# Altium PCB LoRaWAN_Node_Ver2.PcbDoc
Units mil, origin at the board's own origin, x right, y up, seen from the top; angles counter-clockwise.
Board outline 5635.59 x 3186.14 mil, 2 copper layers (Top Layer, Bottom Layer); 103 components, 67 nets, 340 pads, 500 vias.
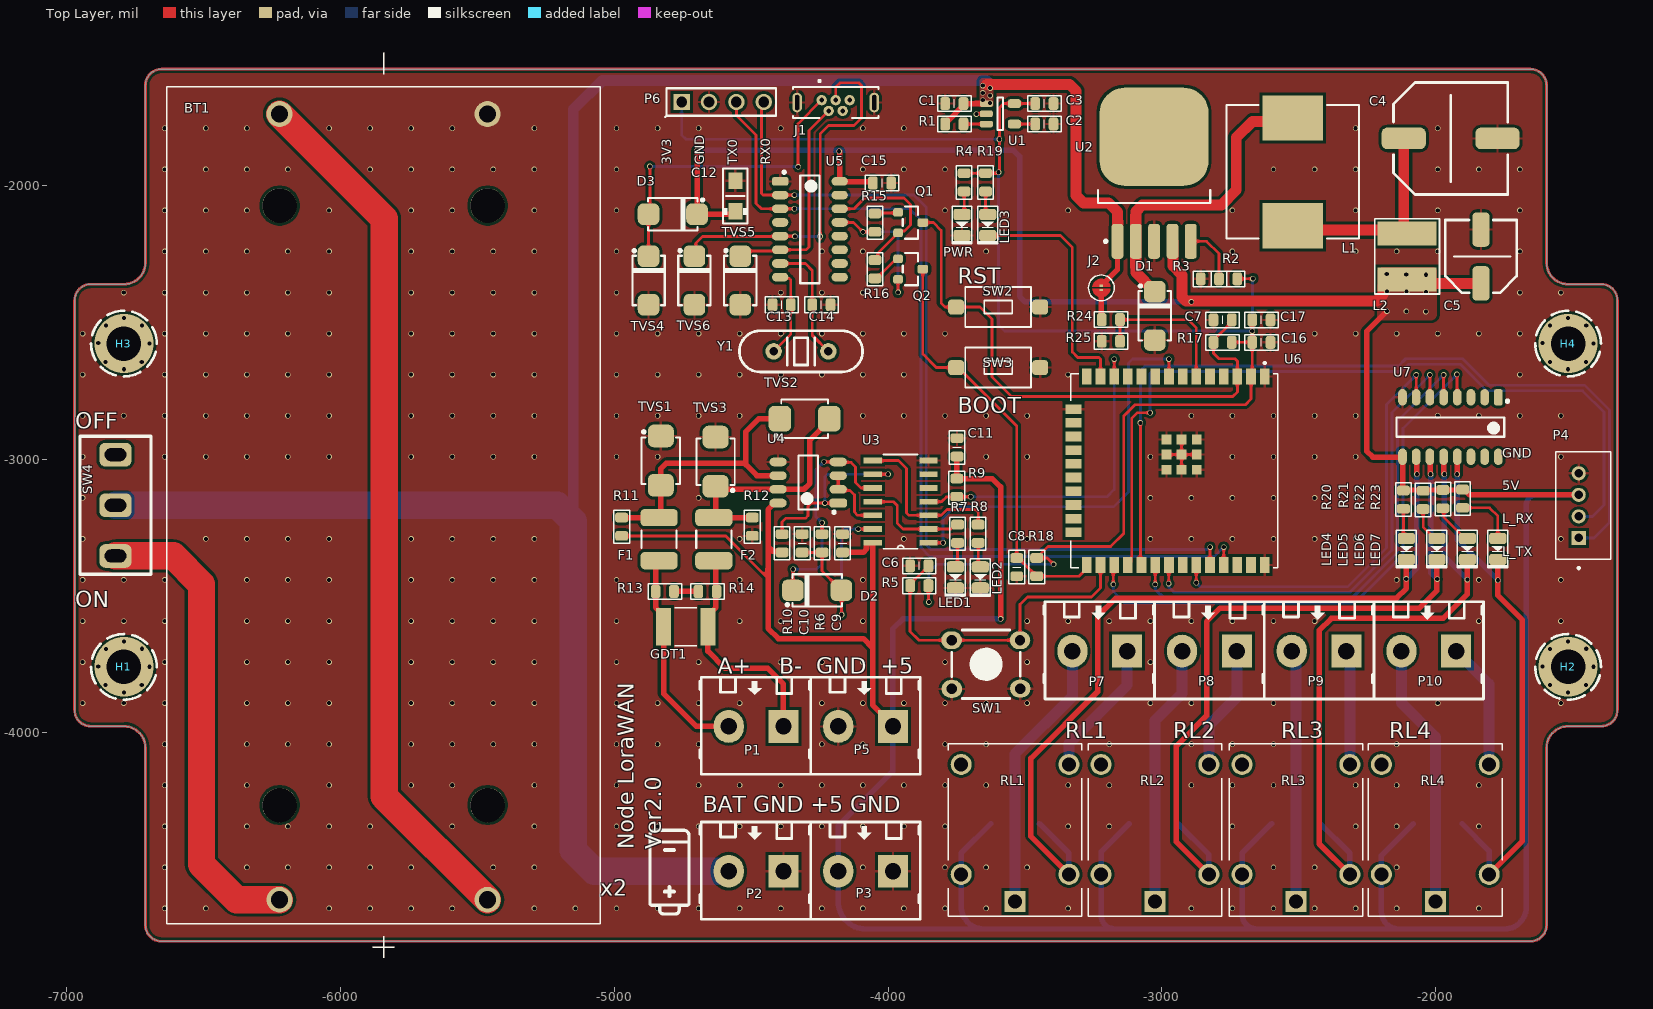
[diagram p0: Top Layer view]
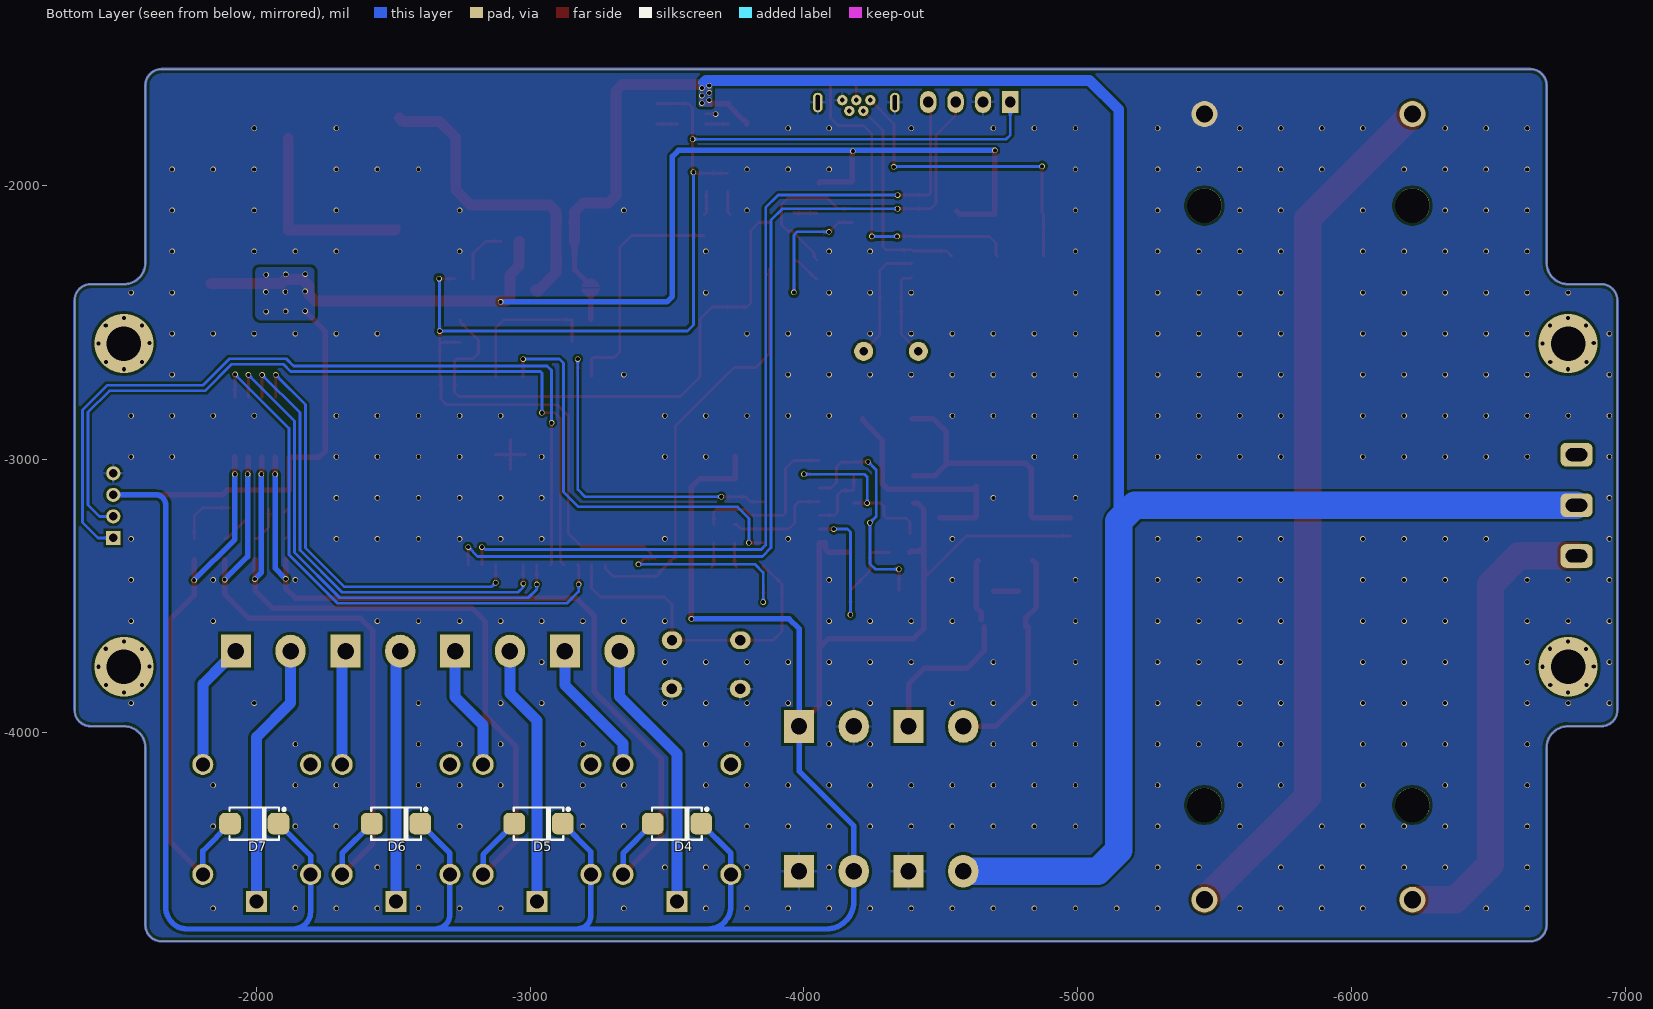
[diagram p1: Bottom Layer view, seen from below]
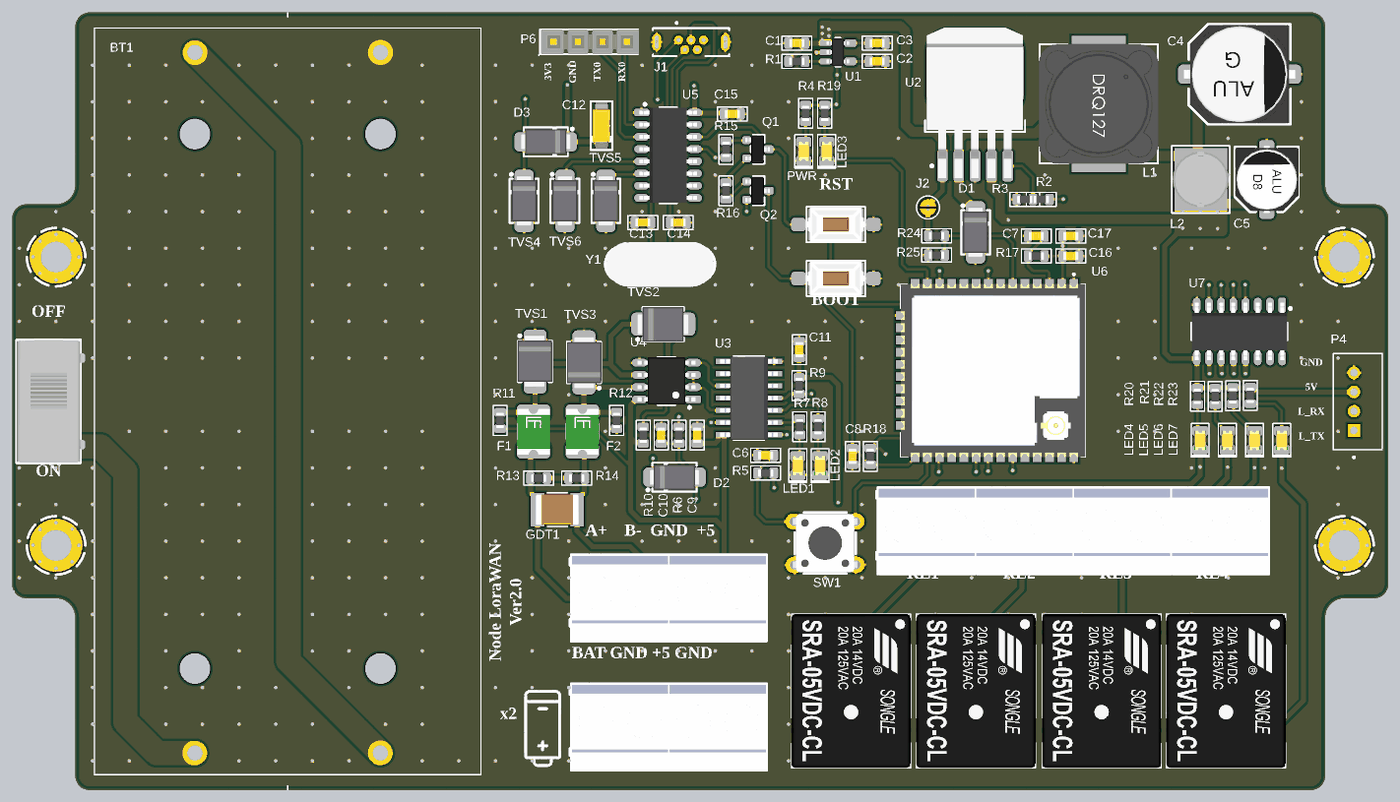
[diagram p2: 3D render of the assembled board from above, using the file's embedded part models]
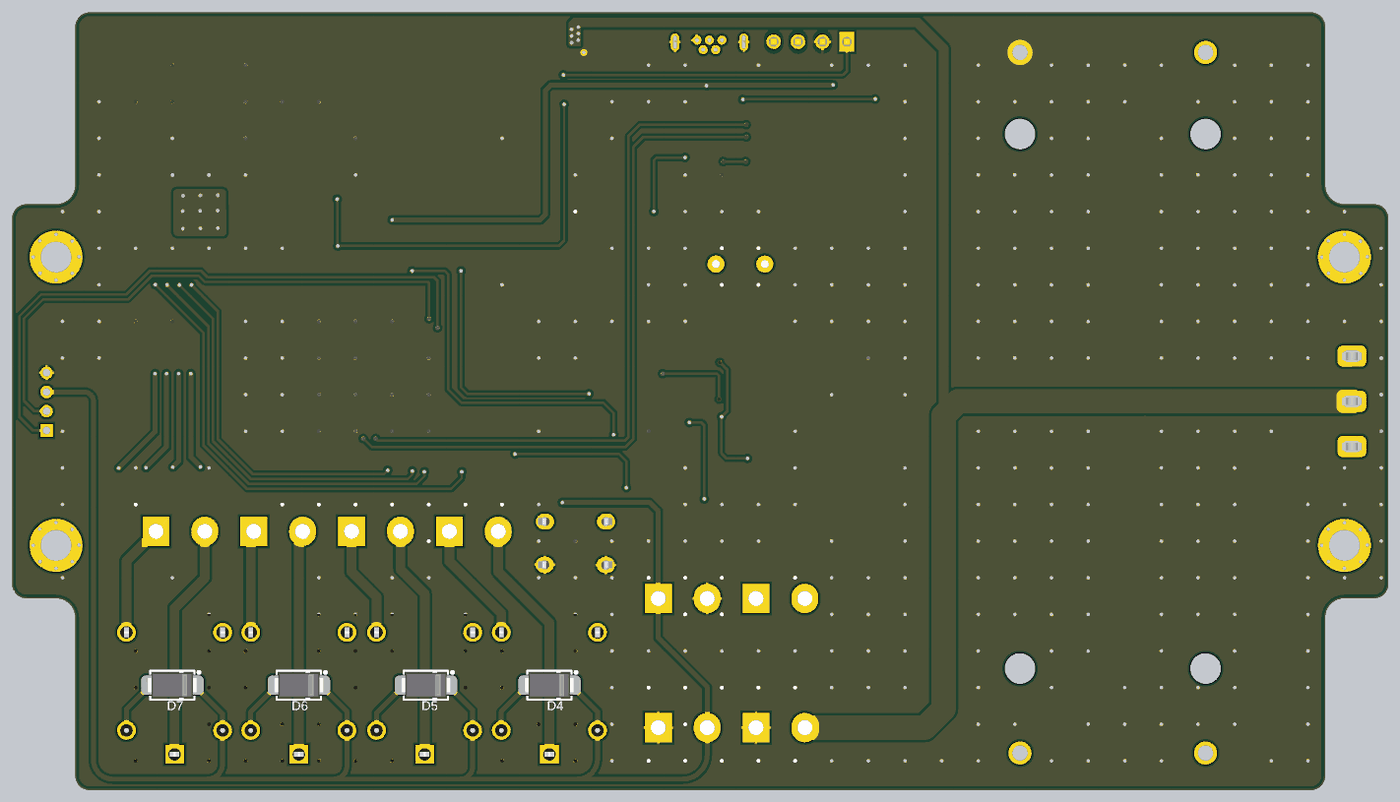
[diagram p3: 3D render of the assembled board from below, using the file's embedded part models]

## Layer stack, top to bottom
Top Solder: solder mask 0.4, Solder Resist, Dk 3.5
Top Layer: signal copper 1.4
Dielectric 1: dielectric 12.6, FR-4, Dk 4.8
Bottom Layer: signal copper 1.4
Bottom Solder: solder mask 0.4, Solder Resist, Dk 3.5

## Board outline
-6712.68,-4701.97 -6712.68,-4054.02 ccw(c-6791.42,-4054.02) -6791.42,-3975.28 -6912.36,-3975.28 cw(c-6912.36,-3916.22) -6971.42,-3916.22 -6971.42,-2420.16 cw(c-6912.12,-2419.92) -6912.36,-2360.62 -6791.42,-2360.62 ccw(c-6791.42,-2281.88) -6712.68,-2281.88 -6712.68,-1633.94 cw(c-6653.62,-1633.94) -6653.62,-1574.88 -1653.62,-1574.88 cw(c-1653.62,-1633.94) -1594.57,-1633.94 -1594.57,-2281.88 ccw(c-1515.83,-2281.88) -1515.83,-2360.62 -1394.88,-2360.62 cw(c-1394.88,-2419.68) -1335.83,-2419.68 -1335.83,-3916.22 cw(c-1394.88,-3916.22) -1394.88,-3975.28 -1515.83,-3975.28 ccw(c-1515.83,-4054.02) -1594.57,-4054.02 -1594.57,-4701.97 cw(c-1653.62,-4701.97) -1653.62,-4761.03 -6653.62,-4761.03 cw(c-6653.62,-4701.97)

## Design rules (kind name [scope] priority, off if disabled: settings)
Clearance [All] p1: gap=10 ignorepadtopadclearanceinfootprint=FALSE except(0: Arc-Hole Track-Hole SMDPad-Hole THPad-Hole Via-Hole Fill-Hole Poly-Hole Region-Hole Text-Hole)
PolygonConnect [All] p1: connectstyle=Relief reliefconductorwidth=10 reliefentries=4 polygonreliefangle="90 Angle" airgapwidth=10
RoutingVias [All] p1: holewidth=15 width=20 viastyle="Through Hole" minholewidth=15 minwidth=15 maxholewidth=20 maxwidth=25
SolderMaskExpansion [All] p1: expansion=4 istentingtop=FALSE
Width BAT [InNet('V_BAT')] p1: maxlimit=100 minlimit=20 preferedwidth=30
Width 5V [InNet('+5')] p2: maxlimit=100 minlimit=20 preferedwidth=20
Width [All] p3: maxlimit=100 minlimit=10 preferedwidth=10
30 further rules are at their usual default settings.

## Components (designator, comment, footprint, x,y, rotation, side; value= is the part's Value field where it differs from the comment)
BT1 "BK-18650-PC4" BAT_BK-18650-PC4 -5842.92,-3168.19 r90 top
C1 "1uF" "C 0603 (1608)" -3758,-1700.74 r180 top
C2 "10uF" "C 0603 (1608)" -3429,-1775.54 r0 top
C3 "2.2uF" "C 0603 (1608)" -3429,-1700.74 r0 top
C4 "25V/470uF" "C SMD ALU (G)" -1945,-1828.2 r0 top
C5 "16V/220uF" "C SMD ALU (D8)" -1834,-2259.34 r90 top
C6 "0.1uF" "C 0603 (1608)" -3886,-3389.46 r180 top
C7 "0.1uF" "C 0603 (1608)" -2777.8,-2490.91 r180 top
C8 "0.1uF" "C 0603 (1608)" -3530,-3394 r270 top
C9 "0.1uF" "C 0603 (1608)" -4166.03,-3306.94 r270 top
C10 "33pF" "C 0603 (1608)" -4313.64,-3306.94 r270 top
C11 "0.1uF" "C 0603 (1608)" -3748,-2956.46 r90 top
C12 "10uF/25V(20%)" "C SMD TAN 1206 (A)" -4558,-2038.46 r90 top
C13 "22pF" "C 0603 (1608)" -4388.46,-2435.58 r180 top
C14 "22pF" "C 0603 (1608)" -4243.46,-2435.58 r0 top
C15 "0.1uF" "C 0603 (1608)" -4022,-1991 r180 top
C16 "10uF" "C 0603 (1608)" -2636.26,-2572.91 r0 top
C17 "0.1uF" "C 0603 (1608)" -2636.26,-2490.91 r0 top
D1 "Diode Schottky" "DO-214AC (SMA)" -3026,-2476 r90 top
D2 "Diode" "DO-214AC (SMA)" -4259,-3479 r180 top
D3 "1N5819" "DO-214AC (SMA)" -4786.42,-2105 r0 top
D4 "Diode" "DO-214AC (SMA)" -3536,-4331 r180 bottom
D5 "Diode" "DO-214AC (SMA)" -3030.33,-4331 r180 bottom
D6 "Diode" "DO-214AC (SMA)" -2510,-4331 r180 bottom
D7 "Diode" "DO-214AC (SMA)" -1992,-4331 r180 bottom
F1 "MS_MSMF" "Fuse 1812P050" -4836.39,-3291.8 r270 top
F2 "MS_MSMF" "Fuse 1812P050" -4636.39,-3291.8 r270 top
GDT1 "Gas Discharge Tube" CAPC4532X110N -4739,-3612 r0 top
H1 "Header 1" M3 -6791.41,-3758.52 r0 top
H2 "Header 1" M3 -1515.82,-3758.52 r0 top
H3 "Header 1" M3 -6791.41,-2577.42 r0 top
H4 "Header 1" M3 -1515.82,-2577.42 r0 top
J1 "USB3131-30-0230-A_REVB" GCT_USB3131-30-0230-A_REVB -4191.25,-1697 r0 top
J2 "JUMP 2" JUMP/2/SMD/D -3221,-2374.13 r270 top
L1 "33uH" "Inductor SMD 12x12x8" -2522,-1950 r270 top
L2 "2.4uH" "Inductor SMD 5.2x5.8x4.5mm" -2104,-2259.34 r270 top
LED1 "Led" "Led SMD 0805" -3754,-3431.61 r90 top
LED2 "Led" "Led SMD 0805" -3663,-3431.61 r90 top
LED3 "Led" "Led SMD 0805" -3636,-2144.27 r90 top
LED4 "Led" "Led SMD 0805" -2106.52,-3328.02 r90 top
LED5 "Led" "Led SMD 0805" -1995.19,-3328.02 r90 top
LED6 "Led" "Led SMD 0805" -1883.86,-3328.02 r90 top
LED7 "Led" "Led SMD 0805" -1772.52,-3328.02 r90 top
P1 "Header 2" "HDR Domino 2 - 5MM" -4382,-3976 r180 top
P2 "Header 2" "HDR Domino 2 - 5MM" -4382,-4505 r180 top
P3 "Header 2" "HDR Domino 2 - 5MM" -3982,-4505 r180 top
P4 "110990030" SEEED_110990030 -1477,-3169.37 r90 top
P5 "Header 2" "HDR Domino 2 - 5MM" -3982,-3976 r180 top
P6 "Header 4" "Header 4" -4754,-1695 r0 top
P7 "Header 2" "HDR Domino 2 - 5MM" -3126.5,-3701 r180 top
P8 "Header 2" "HDR Domino 2 - 5MM" -2726,-3701 r180 top
P9 "Header 2" "HDR Domino 2 - 5MM" -2325.5,-3701 r180 top
P10 "Header 2" "HDR Domino 2 - 5MM" -1925,-3701 r180 top
PWR "Led" "Led SMD 0805" -3729.83,-2144.27 r90 top
Q1 "S8050" SOT-23 -3918.28,-2135.47 r0 top
Q2 "S8050" SOT-23 -3918.28,-2305.47 r0 top
R1 "0R" "R 0603 (1608)" -3758,-1775.54 r180 top
R2 "470" "R 0603 (1608)" -2757.46,-2341 r180 top
R3 "470(DNF)" "R 0603 (1608)" -2824.46,-2341 r180 top
R4 "470" "R 0603 (1608)" -3721.96,-1988.54 r90 top
R5 "10k" "R 0603 (1608)" -3886,-3462 r0 top
R6 "22k" "R 0603 (1608)" -4241.03,-3306.94 r270 top
R7 "470" "R 0603 (1608)" -3746.13,-3272.15 r90 top
R8 "470" "R 0603 (1608)" -3670.87,-3272.15 r90 top
R9 "4k7" "R 0603 (1608)" -3749,-3104 r90 top
R10 "4k7" "R 0603 (1608)" -4387,-3306.94 r270 top
R11 "4k7" "R 0603 (1608)" -4973,-3246.53 r270 top
R12 "4k7" "R 0603 (1608)" -4496,-3246.53 r90 top
R13 "121" "R 0603 (1608)" -4815.46,-3483 r0 top
R14 "0_Open" "R 0603 (1608)" -4659.54,-3483 r0 top
R15 "104" "R 0603 (1608)" -4048,-2136 r270 top
R16 "104" "R 0603 (1608)" -4048,-2306 r90 top
R17 "10k" "R 0603 (1608)" -2777.8,-2572.91 r0 top
R18 "10k" "R 0603 (1608)" -3457,-3394 r90 top
R19 "470" "R 0603 (1608)" -3643.87,-1988.54 r90 top
R20 "470" "R 0603 (1608)" -2117.52,-3147.63 r90 top
R21 "470" "R 0603 (1608)" -2045.35,-3148.54 r90 top
R22 "470" "R 0603 (1608)" -1973.17,-3145.54 r90 top
R23 "470" "R 0603 (1608)" -1901,-3144 r90 top
R24 "20k" "R 0603 (1608)" -3186,-2490 r180 top
R25 "10k" "R 0603 (1608)" -3186,-2569 r0 top
RL1 "SRA-05VDC-CL" RELAY_SRA-05VDC-CL -3536,-4355 r90 top
RL2 "SRA-05VDC-CL" RELAY_SRA-05VDC-CL -3025,-4355 r90 top
RL3 "SRA-05VDC-CL" RELAY_SRA-05VDC-CL -2510,-4355 r90 top
RL4 "SRA-05VDC-CL" RELAY_SRA-05VDC-CL -2001,-4355 r90 top
SW1 "Tact Switch" SW/4/DIP/SMALL -3642,-3749 r270 top
SW2 "Button" SW/2/SMD -3598,-2444 r0 top
SW3 "Button" SW/2/SMD -3598,-2665 r0 top
SW4 "SW SPDT" SW/3/SPDT/SS12D10 -6822,-3168.19 r270 top
TVS1 "Diode TVS" "DO-214AA (SMB)" -4830,-3005 r90 top
TVS2 "Diode TVS" "DO-214AA (SMB)" -4305,-2852 r180 top
TVS3 "Diode TVS" "DO-214AA (SMB)" -4630,-3009 r270 top
TVS4 "Diode TVS" "DO-214AC (SMA)" -4875,-2347 r90 top
TVS5 "Diode TVS" "DO-214AC (SMA)" -4540,-2347 r90 top
TVS6 "Diode TVS" "DO-214AC (SMA)" -4707.5,-2347 r90 top
U1 "LP2985" SOT-23-5 -3589.82,-1738.14 r0 top
U2 "LM2576-5" TO-263-5 -3028,-1955.94 r90 top
U3 "74HC14D" SOIC127P600X175-14N -3954.03,-3154.94 r180 top
U4 "SP485EN-L" SOIC-8 -4291.87,-3084.94 r180 top
U5 "CH340G" SOIC-16 -4285.34,-2160 r0 top
U6 "ESP32-WROOM-32U" XCVR_ESP32-WROOM-32U -2955,-3042 r270 top
U7 "ULN2003" SOIC-16 -1945.69,-2882.41 r270 top
Y1 "12MHz" "Crystal HC49S DIP" -4418,-2606 r0 top

## Footprints (in the part's own frame and the unit in brackets; to place one, negate y for a bottom-side part, rotate by r counter-clockwise, add the part's x,y. Pads: shape width x height; smd on the part's side, far side on the other; paste and mask are expansions set on the pad)
BAT_BK-18650-PC4 [mm]
  round 2.4 hole 1.6: 1+(-36.6,9.65) 1-(36.3,9.65) 2+(-36.6,-9.65) 2-(36.3,-9.65)
  round 3.2 hole 3.2 unplated: ""(-27.81,-9.65) ""(-27.81,9.65) ""(27.81,-9.65) ""(27.81,9.65)
  silkscreen extent -42,-20.1 42,20.1
"C 0603 (1608)" [mm] "Chip Capacitor, 2-Leads, Body 1.6x0.8mm, IPC Medium Density"
  rrect50% 0.9x1.2 smd: 1(-0.85,0) 2(0.85,0)
  silkscreen extent -1.55,-0.72 1.55,0.72, body extent -0.8,-0.43 0.8,0.43, height 0.81
"C SMD ALU (D8)" [mm] "SMD Aluminum Electrolytic Capacitor, size D8 (6.3 x 7.7 mm)"
  rrect50% 3.2x1.6 smd: 1(-2.5,0) 2(2.5,0)
  silkscreen extent -3.37,-3.31 3.37,3.31, body extent -3.5,-3.31 3.5,3.29, height 7.7
"C SMD ALU (G)" [mm] "SMD Aluminum Electrolytic Capacitor, size G (10.0 x 10.2 mm)"
  rrect50% 4.1x2 smd: 1(-4.35,0) 2(4.35,0)
  silkscreen extent -5.3,-5.2 5.3,5.2, body extent -5.8,-5.15 5.8,5.15, height 10.2
"C SMD TAN 1206 (A)" [mm] "Molded Capacitor, 2-Leads, Body 3.2x1.6mm, IPC Medium Density"
  rect 1.55x1.3 smd: 1(-1.425,0) 2(1.425,0)
  silkscreen extent -2.54,-1.14 2.54,1.14, body extent -2.4,-0.9 2.4,0.9, height 1.8
CAPC4532X110N [mm]
  rect 1.4x3.51 smd: 1(-2.057,0) 2(2.057,0)
  silkscreen extent -1.04,-1.75 1.04,1.75, body extent -2.25,-1.6 2.25,1.6, height 1.1
"Crystal HC49S DIP" [mil]
  round 60 / inner round 60 / far side round 70 hole 31: 1(0,0) 2(200,0)
  silkscreen extent -125,-75 325,75, body extent -120,-93 320,91, height 143
"DO-214AA (SMB)" [mm] "Molded Diode, 2-Leads, Body 7.9x5.8mm, IPC Low Density"
  rrect50% 2.1x2.4 smd: 1(2.286,0) 2(-2.286,0)
  silkscreen extent -2.16,-1.78 2.79,1.78, body extent -2.67,-1.77 2.73,1.83, height 2.3
"DO-214AC (SMA)" [mm] "Molded Diode, 2-Leads, Body 4.3x2.7mm, IPC Medium Density"
  rrect50% 2x2 smd: 1(2.25,0) 2(-2.25,0)
  silkscreen extent -2.3,-1.5 2.89,1.58, body extent -2.6,-1.3 2.6,1.3, height 2.4
"Fuse 1812P050" [mm] "Fuse 1812P050, 2-Leads, Body 4.5x3.2mm, IPC Medium Density"
  rrect50% 1.6x3.45 smd: 1(-2,0) 2(2,0)
  silkscreen extent -0.8,-1.63 0.8,1.63, body extent -2.33,-1.7 2.4,1.71, height 1.34
GCT_USB3131-30-0230-A_REVB [mm]
  round 0.958 hole 0.45: 1(-1.3,0.22) 2(-0.65,-0.78) 3(0,0.22) 4(0.65,-0.78) 5(1.3,0.22)
  oval 0.908x1.816 hole 0.4 slot 1.4 at 90 deg: S1(-3.575,0) S2(3.575,0)
  silkscreen extent -3.97,-1.45 3.97,2.1
"HDR Domino 2 - 5MM" [mil] "Header 2, 2 pin, hight 400mil, Pin to Pin 200mil, Colour Green"
  rect 110x120 hole 60: 1(0,0)
  oval 110x120 hole 60: 2(200,0)
  silkscreen extent -100,-180 305,175, body extent -97,-174 297,180, height 598
"Header 4" [mil]
  rect 60x60 / inner round 60 / far side rect 60x80 hole 39: 1(0,0)
  round 60 / inner round 60 / far side oval 60x80 hole 39: 2(100,0) 3(200,0) 4(300,0)
  silkscreen extent -60,-55 345,50, body extent -50,-50 350,50, height 350
"Inductor SMD 5.2x5.8x4.5mm" [mm]
  rect 2.25x5.5 smd: 1(-2.125,0) 2(2.125,0)
  silkscreen extent -3.5,-3 3.5,3, body extent -2.9,-2.9 2.9,2.9, height 3.9
"Inductor SMD 12x12x8" [mm] "Precision Wire Wound Inductor, 2-Leads, Body 12.3x12.3mm, IPC Low Density"
  rect 4.2x5.6 smd: 1(-5,0) 2(5,0)
  silkscreen extent -6.2,-6.15 6.2,6.15, body extent -6.25,-6.25 6.25,6.25, height 8.01
JUMP/2/SMD/D [mm] "Chip Resistor, 2-Leads, Body 1.6x0.8mm, IPC Medium Density"
  rect 0.2x0.3 smd: 1(-0.2,0) 2(0.2,0)
  Top Layer region: 0.1,0.844 0.481,0.7 0.752,0.396 0.85,0 0.85,0 0.752,-0.396 0.481,-0.7 0.1,-0.844 0.1,-0.844
  Top Layer region: -0.1,-0.844 -0.481,-0.7 -0.752,-0.396 -0.85,0 -0.85,0 -0.752,0.396 -0.481,0.7 -0.1,0.844 -0.1,0.844
  silkscreen extent -1.2,-1.2 1.2,1.2
"Led SMD 0805" [mm] "Led SMD 0805"
  rrect50% 1.05x1.6 smd: 1(-0.975,0) 2(0.975,0)
  silkscreen extent -1.75,-0.93 1.75,0.93, body extent -1.01,-0.63 1.01,0.62, height 1.1
M3 [mil]
  silkscreen extent -120,-120 120,120
"R 0603 (1608)" [mm] "Chip Resistor, 2-Leads, Body 1.6x0.8mm, IPC Medium Density"
  rrect50% 0.9x1.2 smd: 1(-0.85,0) 2(0.85,0)
  silkscreen extent -1.55,-0.72 1.55,0.72, body extent -0.8,-0.4 0.8,0.4, height 0.5
RELAY_SRA-05VDC-CL [mm]
  round 1.95 hole 1.3: COIL1(-4.1,5) COIL2(-4.1,-5) NC(6.1,5) NO(6.1,-5)
  rect 1.95x1.95 / inner round 1.95 / far side rect 1.95x1.95 hole 1.3: COM(-6.6,0)
  silkscreen extent -8,-6.2 8,6.2, body extent -8,-6.2 8,6.2, height 14
SEEED_110990030 [mm]
  rect 1.308x1.308 hole 0.8: 1(-3,0)
  round 1.308 hole 0.8: 2(-1,0) 3(1,0) 4(3,0)
  silkscreen extent -5.9,-2.95 5,2.15
SOIC127P600X175-14N [mil]
  rect 67x21 smd: 1(-102,150) 2(-102,100) 3(-102,50) 4(-102,0) 5(-102,-50) 6(-102,-100) 7(-102,-150) 8(102,-150) 9(102,-100) 10(102,-50) 11(102,0) 12(102,50) 13(102,100) 14(102,150)
  silkscreen extent -63,-172 63,172, body extent -118,-170 118,170, height 69
SOIC-8 [mm] "SOIC, 8-Leads, Body 5.0x4.0mm (max), Pitch 1.27mm, IPC Medium Density"
  rrect50% 1.6x0.8 smd: 1(-2.79,1.905)
  oval 1.6x0.8 smd: 2(-2.79,0.635) 3(-2.79,-0.635) 4(-2.79,-1.905) 5(2.79,-1.905) 6(2.79,-0.635) 7(2.79,0.635) 8(2.79,1.905)
  silkscreen extent -2.53,-2.5 0.9,2.88, body extent -3,-2.45 3,2.45, height 1.75
SOIC-16 [mm] "SOIC, 16-Leads, Body 10.0x4.0mm (max), Pitch 1.27mm, IPC Medium Density"
  rrect50% 1.52x0.8 smd: 1(-2.76,4.445)
  oval 1.52x0.8 smd: 2(-2.76,3.175) 3(-2.76,1.905) 4(-2.76,0.635) 5(-2.76,-0.635) 6(-2.76,-1.905) 7(-2.76,-3.175) 8(-2.76,-4.445) 9(2.76,-4.445) 10(2.76,-3.175) 11(2.76,-1.905) 12(2.76,-0.635) 13(2.76,0.635) 14(2.76,1.905) 15(2.76,3.175) 16(2.76,4.445)
  silkscreen extent -2.52,-5 0.9,5.42, body extent -3,-4.95 3,4.95, height 1.4
SOT-23 [mm] "SOT23, 3-Leads, Body 3.0x2.5mm (max), Pitch 0.95mm, IPC Medium Density"
  rrect50% 0.9x0.8 smd: 1(-1.15,0.95) 2(-1.15,-0.95)
  rrect50% 1x0.8 smd: 3(1.15,0)
  silkscreen extent -0.71,-1.5 0.7,1.5, body extent -1.28,-1.46 1.27,1.46, height 0.95
SOT-23-5 [mm] "SOT23, 5-Leads, Body 3.0x3.0mm (max), Pitch 0.95mm, IPC Medium Density"
  rrect50% 1.2x0.6 smd: 1(-1.3,0.95) 2(-1.3,0) 3(-1.3,-0.95)
  rrect50% 1.2x0.8 smd: 4(1.3,-0.95) 5(1.3,0.95)
  silkscreen extent -0.25,-1.5 0.25,1.5, body extent -1.17,-1.46 1.17,1.46, height 1
SW/2/SMD [mm]
  rrect50% 1.5x1.4 smd: 1(-3.9,0) 2(3.9,0)
  silkscreen extent -3.05,-1.85 3.05,1.85, body extent -3.05,-1.85 3.05,1.85, height 2.5
SW/3/SPDT/SS12D10 [mm]
  rrect50% 2.2x3 hole 1.2 slot 2 at 90 deg: 1(-4.7,0) 2(0,0) 3(4.7,0)
  silkscreen extent -6.4,-3.3 6.4,3.3, body extent -6.4,-3.3 6.35,3.8, height 12.5
SW/4/DIP/SMALL [mil]
  oval 65x75 hole 38: 1(-88,124) 2(89,125) 3(90,-125) 4(-88,-126)
  silkscreen extent -125,-125 125,125, body extent -119,-152 119,152, height 197
TO-263-5 [mm] "D2-PAK, 6-Pads, Body 8.9x10.4mm (max), IPC Medium Density"
  rrect50% 3.25x1.1 smd: 1(-6.3,3.4) 2(-6.3,1.7) 3(-6.3,0) 4(-6.3,-1.7) 5(-6.3,-3.4)
  rrect50% 9.1x10.1 smd: 6(3.4,0)
  silkscreen extent -6.42,-5.2 -1.55,5.2, body extent -7.56,-4.98 8.11,5.02, height 4.83
XCVR_ESP32-WROOM-32U [mm]
  rect 1.5x0.9 smd: 1(-8.75,8.41) 2(-8.75,7.14) 3(-8.75,5.87) 4(-8.75,4.6) 5(-8.75,3.33) 6(-8.75,2.06) 7(-8.75,0.79) 8(-8.75,-0.48) 9(-8.75,-1.75) 10(-8.75,-3.02) 11(-8.75,-4.29) 12(-8.75,-5.56) 13(-8.75,-6.83) 14(-8.75,-8.1) 25(8.75,-8.1) 26(8.75,-6.83) 27(8.75,-5.56) 28(8.75,-4.29) 29(8.75,-3.02) 30(8.75,-1.75) 31(8.75,-0.48) 32(8.75,0.79) 33(8.75,2.06) 34(8.75,3.33) 35(8.75,4.6) 36(8.75,5.87) 37(8.75,7.14) 38(8.75,8.41)
  rect 0.9x1.5 smd: 15(-5.715,-9.35) 16(-4.445,-9.35) 17(-3.175,-9.35) 18(-1.905,-9.35) 19(-0.635,-9.35) 20(0.635,-9.35) 21(1.905,-9.35) 22(3.175,-9.35) 23(4.445,-9.35) 24(5.715,-9.35)
  rect 0.9x0.9 smd: 39_1(-2.9,2.09) 39_2(-1.5,2.09) 39_3(-0.1,2.09) 39_4(-2.9,0.69) 39_5(-1.5,0.69) 39_6(-0.1,0.69) 39_7(-2.9,-0.71) 39_8(-1.5,-0.71) 39_9(-0.1,-0.71)
  round 0.35 on Top Overlay mask+0: 40_1(-2.2,2.09) 40_2(-0.8,2.09) 40_3(-2.9,1.39) 40_4(-1.5,1.39) 40_5(-0.1,1.39) 40_6(-2.2,0.69) 40_7(-0.8,0.69) 40_8(-2.9,-0.01) 40_9(-1.5,-0.01) 40_10(-0.1,-0.01) 40_11(-2.2,-0.71) 40_12(-0.8,-0.71)